# Altium PCB Board.PcbDoc (part 13 of 15)
Units mil, origin at the board's own origin, x right, y up, seen from the top; angles counter-clockwise.
Board outline 6379.64 x 4143.89 mil, 4 copper layers (Top Layer, GND, VCC, Bottom Layer); 316 components, 199 nets, 1077 pads, 596 vias.
Unrouted connection lines stored in the file: 268.
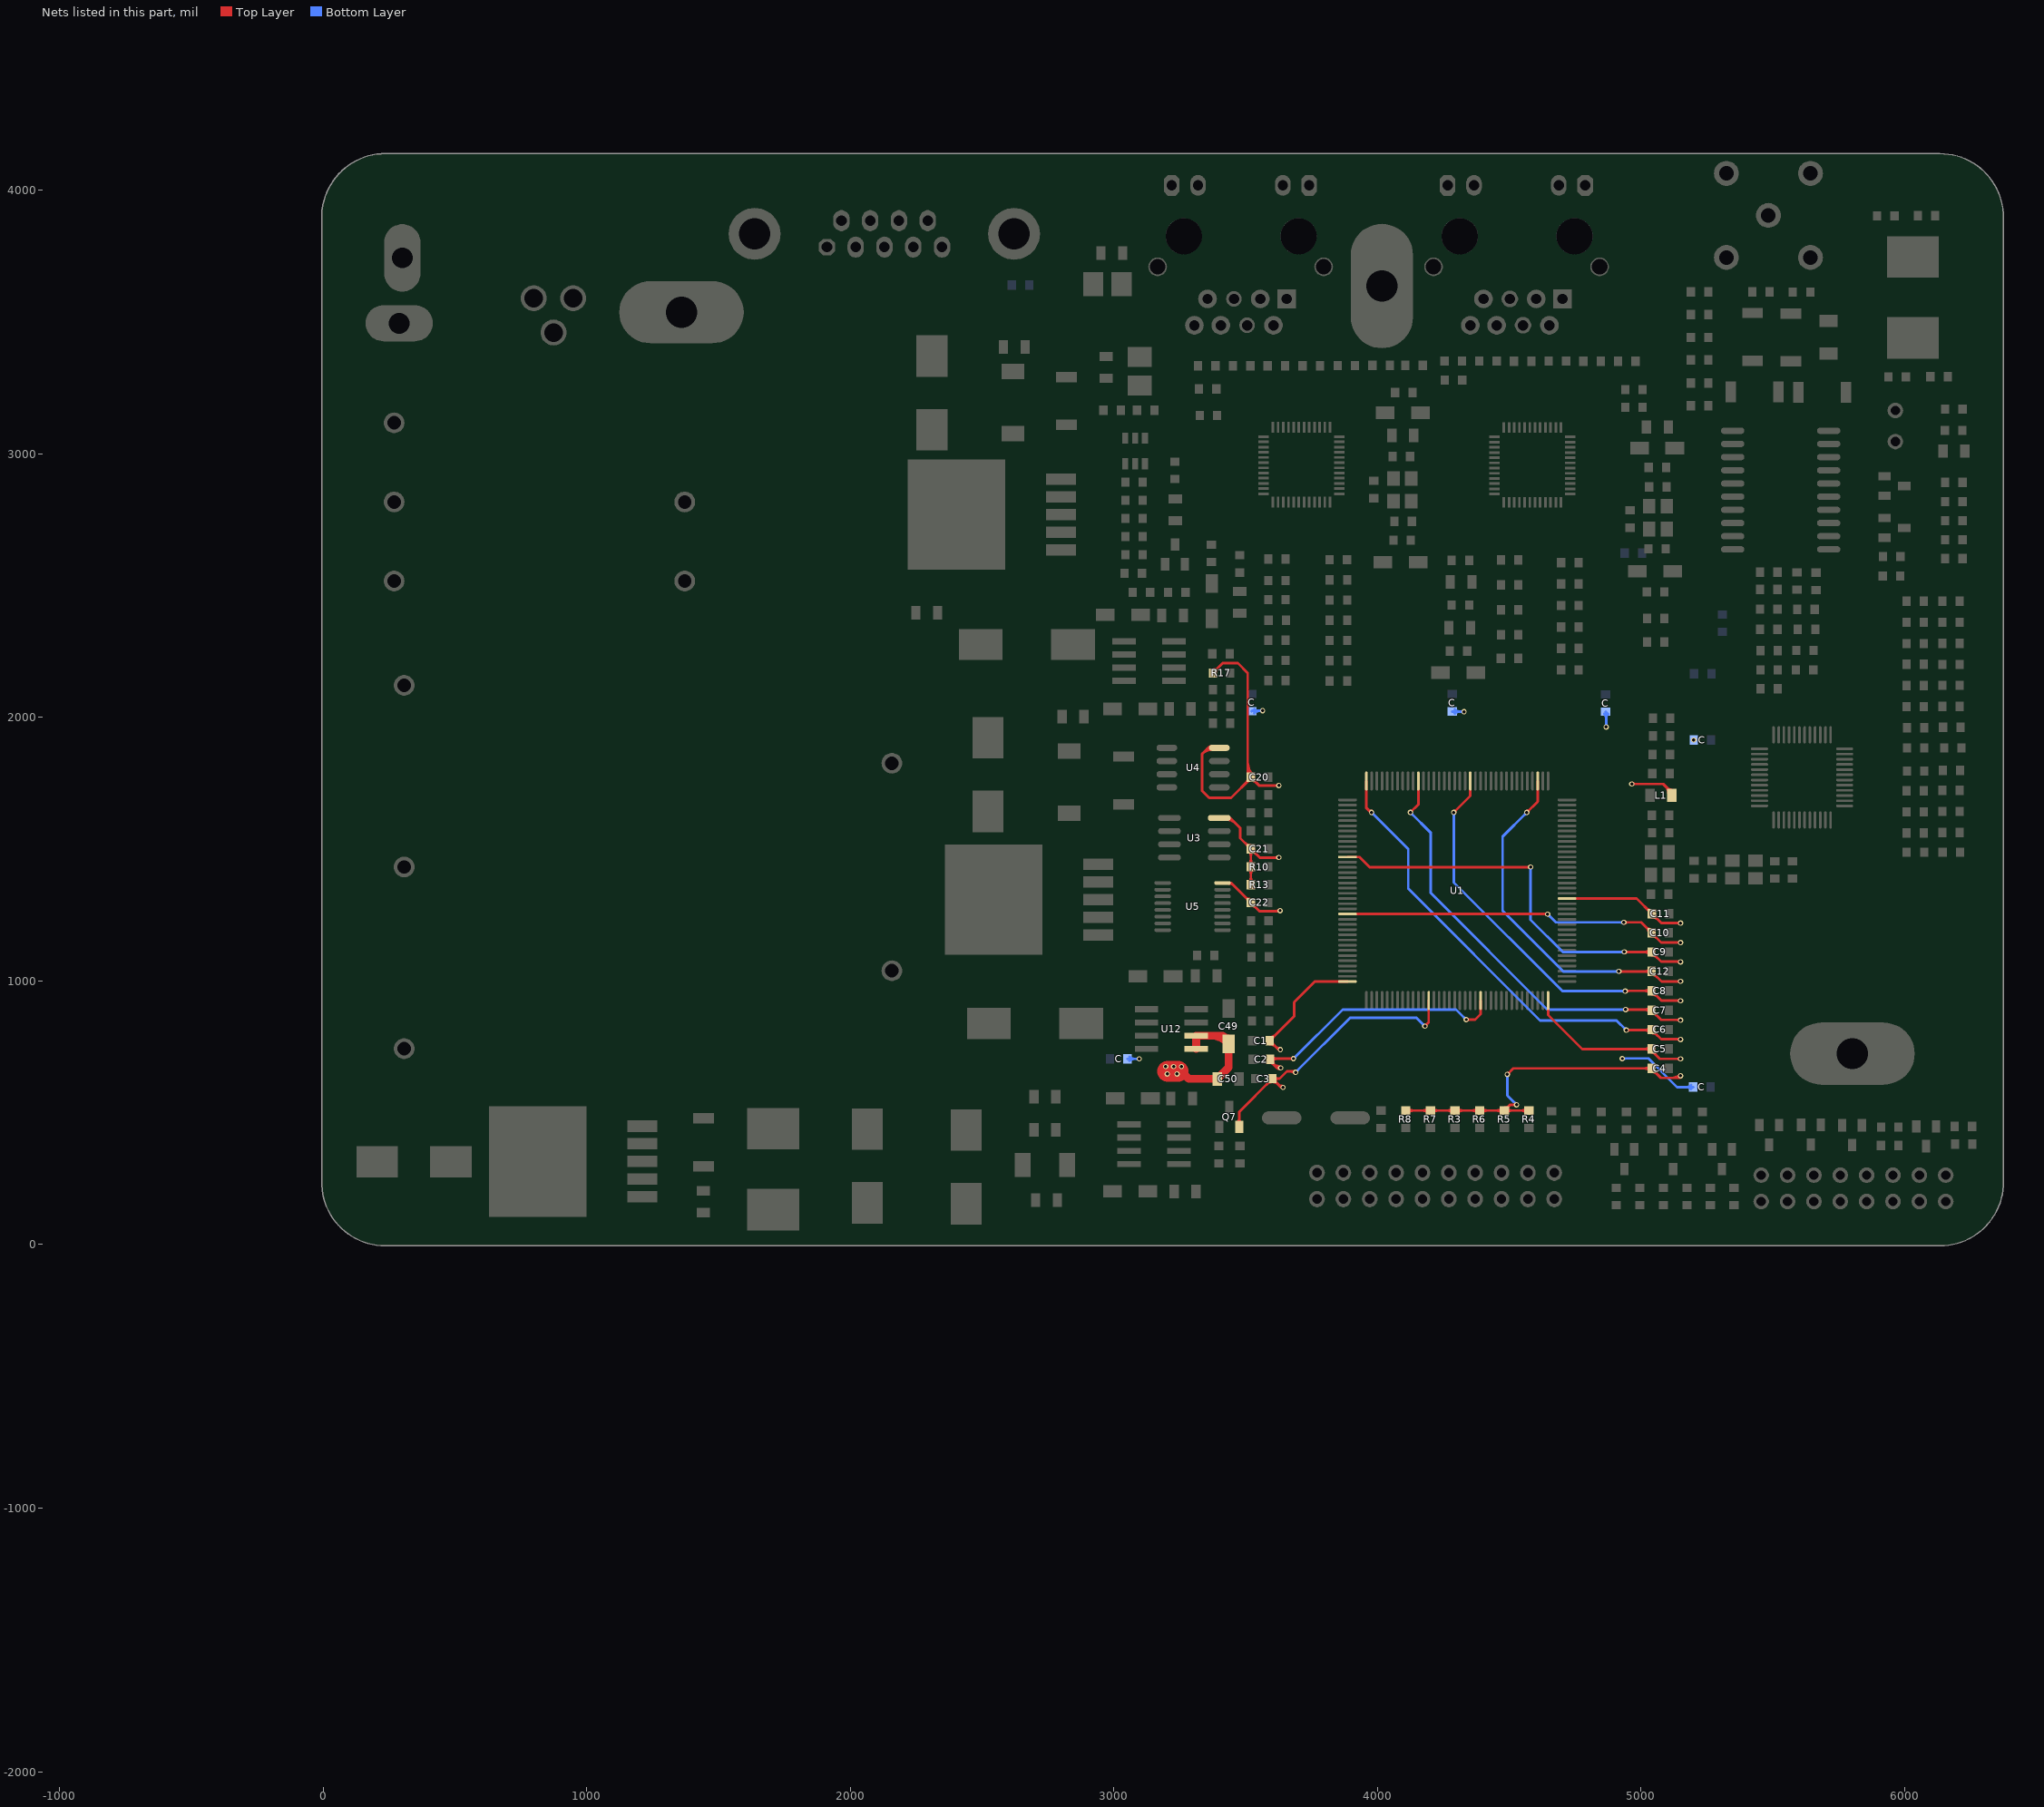
[diagram p14: the nets of this part, all layers, seen from the top]

## Via types
v1: diameter 20, hole 12, Top Layer to Bottom Layer, 590 vias
v2: diameter 30, hole 17, Top Layer to Bottom Layer, 6 vias

## Nets (pads, with @x,y where several pads share a name; then routed paths per layer and width w, separated by ;. In a path a pad name is that pad's centre, name@x,y a point inside that pad or via, vN(x,y) a via of type N, cw(c..) or ccw(c..) an arc to the next point about the centre after c; other vN are vias at no path point) (continued)
VDD3.3: C1.2 C2.2 C3.2 C4.2 C5.2 C6.2 C7.2 C8.2 C9.2 C10.2 C11.2 C12.2 C20.1 C21.2 C22.2 C49.2 C50.1 C.1@3051.6,704.45 C.2@3522.6,2023.45 C.2@4283.6,2022.45 C.2@4865.6,2021.45 C.2@5197.6,597.45 C.2@5199.6,1914.45 L1.1 Q7.1 R3.2 R4.2 R5.2 R6.2 R7.2 R8.2 R10.1 R13.1 R17.1 U1.17 U1.39 U1.52 U1.62 U1.72 U1.84 U1.95 U1.108 U1.121 U1.131 U1.144 U3.8 U4.8 U5.16 U12.1 U12.2 | length 27951.5
  Top Layer w10: R17.1@3375.6,2176.77 R17.1@3375.6,2168.2 3412.85,2205.45 3470.6,2205.45 3507.6,2168.45 3507.6,1785.6 C20.1@3519.75,1773.45 ; U3.8@3399.57,1618.45 3441.6,1618.45 3479.6,1580.45 3479.6,1541.78 C21.2@3519.6,1501.78 ; U4.8@3400.01,1884.45 3357.6,1884.45 ; U5.16@3411.79,1372.02 3445.2,1372.02 C22.2@3519.6,1297.62 3552.31,1264.9 3629.05,1264.9 v1(3630.6,1266.45) ; Q7.1@3475.4,446.45 3475.4,503.25 C3.2@3601.6,629.45 ; R13.1@3519.75,1365.11 3519.6,1365.26 C21.2@3519.6,1501.78 ; v1(3625.6,1468.45) 3552.93,1468.45 C21.2@3519.6,1501.78 ; v1(3625.6,1741.45) 3624.88,1740.73 3552.46,1740.73 C20.1@3519.75,1773.45 ; v1(3631.6,739.45) 3624.6,739.45 C1.2@3590.6,773.45 3683.6,866.45 3683.6,919.45 3762.11,997.96 U1.108@3886.26,997.96 ; v1(3632.6,670.45) 3619.6,670.45 3588.6,701.45 3592.6,705.45 v1(3681.6,705.45) ; v1(3641.6,596.45) 3634.6,596.45 C3.2@3601.6,629.45 ; v1(3689.6,653.45) 3685.6,657.45 3656.6,657.45 3628.6,629.45 C3.2@3601.6,629.45 ; U1.95@3886.26,1253.87 4645.18,1253.87 v1(4645.6,1253.45) ; U1.84@3886.26,1470.4 3931.65,1470.4 3970.6,1431.45 v1@4580.6,1431.45 ; U1.72@3958.11,1758.79 3958.11,1655.94 v1@3977.6,1636.45 ; R8.2@4107.1,508.45 R7.2@4200.6,508.45 R3.2@4294.1,508.45 R6.2@4387.6,508.45 R5.2@4481.1,508.45 ; v1(4124.6,1639.45) 4154.96,1669.81 U1.62@4154.96,1758.79 ; v1(4179.6,828.45) 4194.33,843.18 U1.121@4194.33,926.11 ; v1(4289.6,1639.45) 4351.81,1701.66 U1.52@4351.81,1758.79 ; v1(4336.6,853.45) 4370.6,853.45 4391.18,874.03 U1.131@4391.18,926.11 ; v1(4492.6,645.45) 4515.6,668.45 C4.2@5039.45,668.45 5075.45,632.45 5141.6,632.45 v1(5149.6,640.45) ; v1(4527.6,530.45) 4503.1,530.45 R5.2@4481.1,508.45 ; v1(4566.6,1639.45) 4607.72,1680.57 U1.39@4607.72,1758.79 ; R4.2@4574.6,508.45 R5.2@4481.1,508.45 ; U1.144@4647.09,926.11 4647.09,870.96 4776.6,741.45 5038.88,741.45 C5.2@5039.45,742.02 ; U1.17@4718.94,1312.92 4983.13,1312.92 C11.2@5040.6,1255.45 5076.6,1219.45 v1(5149.6,1219.45) ; v1(4915.6,1036.45) 4915.75,1036.3 C12.2@5039.45,1036.3 5077.3,998.45 v1@5143.22,998.45 ; v1(4934.6,1222.45) 5000.44,1222.45 5076.44,1146.45 5145.47,1146.45 v1@5149.6,1150.57 ; v1(4936.6,1110.45) 4937.18,1109.87 C9.2@5039.45,1109.87 5075.87,1073.45 v1@5145.35,1073.45 ; v1(4939.6,961.45) 4940.88,962.73 C8.2@5039.45,962.73 5076.73,925.45 v1@5143.1,925.45 ; v1(4941.6,891.45) 5037.16,891.45 5076.16,852.45 v1@5142.97,852.45 ; v1(4943.6,813.45) 5037.31,813.45 C6.2@5039.45,815.59 5075.59,779.45 v1@5142.85,779.45 ; v1(4964.6,1747.45) 5083.6,1747.45 L1.1@5116.6,1714.45 ; C5.2@5041.6,733.45 5070.6,704.45 v1(5149.6,704.45) ; L1.1@5110.6,1705.45 L1.1@5110.6,1715.45 ; 3335.47,1862.32 cw(c3372.45,1825.34) U4.8@3372.45,1877.64 ; 3335.47,1862.32 cw(c3372.45,1825.34) U4.8@3372.45,1877.64 ; 3335.47,1862.32 cw(c3372.45,1825.34) U4.8@3372.45,1877.64 ; 3352.54,1879.39 cw(c3372.45,1859.48) U4.8@3372.45,1887.64 ; 3352.54,1879.39 cw(c3372.45,1859.48) U4.8@3372.45,1887.64 ; 3352.54,1879.39 cw(c3372.45,1859.48) U4.8@3372.45,1887.64 ; 3357.6,1884.45 cw(c3357.6,1871.67) U4.8@3367.29,1880.01 ; 3357.6,1884.45 ccw(c3357.6,1897.23) U4.8@3367.29,1888.89 ; 3357.6,1884.45 cw(c3357.6,1871.67) U4.8@3367.29,1880.01 ; 3357.6,1884.45 ccw(c3357.6,1897.23) U4.8@3367.29,1888.89 ; 3357.6,1884.45 ccw(c3357.6,1897.23) U4.8@3367.29,1888.89 ; 3357.6,1884.45 cw(c3357.6,1871.67) U4.8@3367.29,1880.01 ; 3357.6,1884.45 3334.6,1861.45 3334.6,1721.45 3361.6,1694.45 3444.6,1694.45 3519.75,1769.6 C20.1@3519.75,1773.45 ; R17.1@3375.6,2180.92 ccw(c3375.6,2211.62) 3397.31,2189.91 ; R17.1@3375.6,2180.92 ccw(c3375.6,2211.62) 3397.31,2189.91 ; R17.1@3375.6,2180.92 ccw(c3375.6,2211.62) 3397.31,2189.91 ; R17.1@3386.35,2170.17 cw(c3407.54,2170.17) 3392.55,2185.15 ; R17.1@3386.35,2170.17 cw(c3407.54,2170.17) 3392.55,2185.15 ; R17.1@3386.35,2170.17 cw(c3407.54,2170.17) 3392.55,2185.15 ; U3.8@3431.07,1611.64 cw(c3431.07,1569.78) 3460.67,1599.38 ; U3.8@3431.07,1611.64 cw(c3431.07,1569.78) 3460.67,1599.38 ; U3.8@3431.07,1611.64 cw(c3431.07,1569.78) 3460.67,1599.38 ; U3.8@3431.07,1621.64 cw(c3431.07,1603.92) 3443.6,1616.45 ; U3.8@3431.07,1621.64 cw(c3431.07,1603.92) 3443.6,1616.45 ; U3.8@3431.07,1621.64 cw(c3431.07,1603.92) 3443.6,1616.45 ; U5.16@3436.39,1370.13 cw(c3436.39,1344.31) 3454.65,1362.56 ; U5.16@3436.39,1370.13 cw(c3436.39,1344.31) 3454.65,1362.56 ; U5.16@3436.39,1370.13 cw(c3436.39,1344.31) 3454.65,1362.56 ; Q7.1@3467.8,461.92 ccw(c3449.45,480.27) 3475.4,480.27 ; Q7.1@3467.8,461.92 ccw(c3449.45,480.27) 3475.4,480.27 ; Q7.1@3467.8,461.92 ccw(c3449.45,480.27) 3475.4,480.27 ; 3475.4,480.27 ccw(c3501.35,480.27) Q7.1@3483,461.92 ; 3475.4,480.27 ccw(c3501.35,480.27) Q7.1@3483,461.92 ; 3475.4,480.27 ccw(c3501.35,480.27) Q7.1@3483,461.92 ; 3497.89,1319.32 ccw(c3519.6,1341.03) C22.2@3519.6,1310.33 ; 3497.89,1319.32 ccw(c3519.6,1341.03) C22.2@3519.6,1310.33 ; 3497.89,1319.32 ccw(c3519.6,1341.03) C22.2@3519.6,1310.33 ; 3497.89,1523.49 ccw(c3519.6,1545.2) C21.2@3519.6,1514.5 ; 3497.89,1523.49 ccw(c3519.6,1545.2) C21.2@3519.6,1514.5 ; 3497.89,1523.49 ccw(c3519.6,1545.2) C21.2@3519.6,1514.5 ; 3500.07,1749.92 ccw(c3478.51,1771.48) C20.1@3509,1771.48 ; 3500.07,1749.92 ccw(c3478.51,1771.48) C20.1@3509,1771.48 ; 3500.07,1749.92 ccw(c3478.51,1771.48) C20.1@3509,1771.48 ; 3502.64,1314.57 cw(c3487.65,1299.59) C22.2@3508.85,1299.59 ; 3502.64,1314.57 cw(c3487.65,1299.59) C22.2@3508.85,1299.59 ; 3502.64,1314.57 cw(c3487.65,1299.59) C22.2@3508.85,1299.59 ; 3502.64,1518.74 cw(c3487.65,1503.75) C21.2@3508.85,1503.75 ; 3502.64,1518.74 cw(c3487.65,1503.75) C21.2@3508.85,1503.75 ; 3502.64,1518.74 cw(c3487.65,1503.75) C21.2@3508.85,1503.75 ; 3504.61,1754.46 cw(c3519.75,1739.33) C20.1@3519.75,1760.73 ; 3504.61,1754.46 cw(c3519.75,1739.33) C20.1@3519.75,1760.73 ; 3504.61,1754.46 cw(c3519.75,1739.33) C20.1@3519.75,1760.73 ; 3507.6,1806.55 ccw(c3550.89,1806.55) C20.1@3520.28,1775.95 ; 3507.6,1806.55 ccw(c3550.89,1806.55) C20.1@3520.28,1775.95 ; 3507.6,1806.55 ccw(c3550.89,1806.55) C20.1@3520.28,1775.95 ; 3507.6,1830.7 ccw(c3575.03,1830.7) C20.1@3527.35,1783.02 ; 3507.6,1830.7 ccw(c3575.03,1830.7) C20.1@3527.35,1783.02 ; 3507.6,1830.7 ccw(c3575.03,1830.7) C20.1@3527.35,1783.02 ; C21.2@3512,1492.22 cw(c3493.65,1473.87) 3519.6,1473.87 ; C21.2@3512,1492.22 cw(c3493.65,1473.87) 3519.6,1473.87 ; C21.2@3512,1492.22 cw(c3493.65,1473.87) 3519.6,1473.87 ; R13.1@3512.15,1374.68 ccw(c3494.16,1392.67) 3519.6,1392.67 ; R13.1@3512.15,1374.68 ccw(c3494.16,1392.67) 3519.6,1392.67 ; R13.1@3512.15,1374.68 ccw(c3494.16,1392.67) 3519.6,1392.67 ; R10.1@3512.15,1423.6 cw(c3494.16,1405.61) 3519.6,1405.61 ; R10.1@3512.15,1423.6 cw(c3494.16,1405.61) 3519.6,1405.61 ; R10.1@3512.15,1423.6 cw(c3494.16,1405.61) 3519.6,1405.61 ; R10.1@3512.15,1442.74 ccw(c3494.16,1460.72) 3519.6,1460.72 ; R10.1@3512.15,1442.74 ccw(c3494.16,1460.72) 3519.6,1460.72 ; R10.1@3512.15,1442.74 ccw(c3494.16,1460.72) 3519.6,1460.72 ; C22.2@3519.6,1284.9 cw(c3519.6,1254.2) 3541.31,1275.91 ; C22.2@3519.6,1284.9 cw(c3519.6,1254.2) 3541.31,1275.91 ; C22.2@3519.6,1284.9 cw(c3519.6,1254.2) 3541.31,1275.91 ; 3519.6,1393.39 ccw(c3546.06,1393.39) R13.1@3527.35,1374.68 ; 3519.6,1393.39 ccw(c3546.06,1393.39) R13.1@3527.35,1374.68 ; 3519.6,1393.39 ccw(c3546.06,1393.39) R13.1@3527.35,1374.68 ; 3519.6,1404.89 cw(c3546.06,1404.89) R10.1@3527.35,1423.6 ; 3519.6,1404.89 cw(c3546.06,1404.89) R10.1@3527.35,1423.6 ; 3519.6,1404.89 cw(c3546.06,1404.89) R10.1@3527.35,1423.6 ; 3519.6,1461.45 ccw(c3546.06,1461.45) R10.1@3527.35,1442.74 ; 3519.6,1461.45 ccw(c3546.06,1461.45) R10.1@3527.35,1442.74 ; 3519.6,1461.45 ccw(c3546.06,1461.45) R10.1@3527.35,1442.74 ; 3519.6,1473.87 cw(c3545.55,1473.87) C21.2@3527.2,1492.22 ; 3519.6,1473.87 cw(c3545.55,1473.87) C21.2@3527.2,1492.22 ; 3519.6,1473.87 cw(c3545.55,1473.87) C21.2@3527.2,1492.22 ; C21.2@3519.6,1489.07 cw(c3519.6,1458.37) 3541.31,1480.08 ; C21.2@3519.6,1489.07 cw(c3519.6,1458.37) 3541.31,1480.08 ; C21.2@3519.6,1489.07 cw(c3519.6,1458.37) 3541.31,1480.08 ; C20.1@3519.75,1760.73 cw(c3519.75,1730.03) 3541.46,1751.74 ; C20.1@3519.75,1760.73 cw(c3519.75,1730.03) 3541.46,1751.74 ; C20.1@3519.75,1760.73 cw(c3519.75,1730.03) 3541.46,1751.74 ; C22.2@3530.35,1295.65 ccw(c3551.54,1295.65) 3536.55,1280.66 ; C22.2@3530.35,1295.65 ccw(c3551.54,1295.65) 3536.55,1280.66 ; C22.2@3530.35,1295.65 ccw(c3551.54,1295.65) 3536.55,1280.66 ; C21.2@3530.35,1499.82 ccw(c3551.54,1499.82) 3536.55,1484.83 ; C21.2@3530.35,1499.82 ccw(c3551.54,1499.82) 3536.55,1484.83 ; C21.2@3530.35,1499.82 ccw(c3551.54,1499.82) 3536.55,1484.83 ; C20.1@3530.5,1771.48 ccw(c3551.69,1771.48) 3536.7,1756.49 ; C20.1@3530.5,1771.48 ccw(c3551.69,1771.48) 3536.7,1756.49 ; C20.1@3530.5,1771.48 ccw(c3551.69,1771.48) 3536.7,1756.49 ; 3579.89,607.74 cw(c3601.6,586.03) C3.2@3601.6,616.73 ; 3579.89,607.74 cw(c3601.6,586.03) C3.2@3601.6,616.73 ; 3579.89,607.74 cw(c3601.6,586.03) C3.2@3601.6,616.73 ; 3584.64,612.49 ccw(c3569.65,627.48) C3.2@3590.85,627.48 ; 3584.64,612.49 ccw(c3569.65,627.48) C3.2@3590.85,627.48 ; 3584.64,612.49 ccw(c3569.65,627.48) C3.2@3590.85,627.48 ; C1.2@3590.6,760.73 cw(c3590.6,730.03) 3612.31,751.74 ; C1.2@3590.6,760.73 cw(c3590.6,730.03) 3612.31,751.74 ; C1.2@3590.6,760.73 cw(c3590.6,730.03) 3612.31,751.74 ; C1.2@3590.6,786.17 ccw(c3590.6,816.87) 3612.31,795.16 ; C1.2@3590.6,786.17 ccw(c3590.6,816.87) 3612.31,795.16 ; C1.2@3590.6,786.17 ccw(c3590.6,816.87) 3612.31,795.16 ; C2.2@3592.6,689.73 cw(c3592.6,671.1) 3605.77,684.28 ; C2.2@3592.6,689.73 cw(c3592.6,671.1) 3605.77,684.28 ; C2.2@3592.6,689.73 cw(c3592.6,671.1) 3605.77,684.28 ; C2.2@3600.2,696.82 cw(c3621.04,675.98) 3621.04,705.45 ; C2.2@3600.2,696.82 cw(c3621.04,675.98) 3621.04,705.45 ; C2.2@3600.2,696.82 cw(c3621.04,675.98) 3621.04,705.45 ; C2.2@3600.2,712.02 ccw(c3616.06,727.88) 3616.06,705.45 ; C2.2@3600.2,712.02 ccw(c3616.06,727.88) 3616.06,705.45 ; C2.2@3600.2,712.02 ccw(c3616.06,727.88) 3616.06,705.45 ; C1.2@3601.35,771.48 ccw(c3622.54,771.48) 3607.55,756.49 ; C1.2@3601.35,771.48 ccw(c3622.54,771.48) 3607.55,756.49 ; C1.2@3601.35,771.48 ccw(c3622.54,771.48) 3607.55,756.49 ; C1.2@3601.35,775.42 cw(c3622.54,775.42) 3607.55,790.4 ; C1.2@3601.35,775.42 cw(c3622.54,775.42) 3607.55,790.4 ; C1.2@3601.35,775.42 cw(c3622.54,775.42) 3607.55,790.4 ; C3.2@3601.6,616.73 cw(c3601.6,586.03) 3623.31,607.74 ; C3.2@3601.6,616.73 cw(c3601.6,586.03) 3623.31,607.74 ; C3.2@3601.6,616.73 cw(c3601.6,586.03) 3623.31,607.74 ; C2.2@3601.87,688.18 ccw(c3632.6,718.9) v1@3632.6,675.45 ; C2.2@3601.87,688.18 ccw(c3632.6,718.9) v1@3632.6,675.45 ; C2.2@3601.87,688.18 ccw(c3632.6,718.9) v1@3632.6,675.45 ; C2.2@3603.35,700.48 ccw(c3636.61,700.48) 3613.09,676.96 ; C2.2@3603.35,700.48 ccw(c3636.61,700.48) 3613.09,676.96 ; C2.2@3603.35,700.48 ccw(c3636.61,700.48) 3613.09,676.96 ; C3.2@3609.2,621.85 cw(c3627.55,603.5) 3627.55,629.45 ; C3.2@3609.2,621.85 cw(c3627.55,603.5) 3627.55,629.45 ; C3.2@3609.2,621.85 cw(c3627.55,603.5) 3627.55,629.45 ; C3.2@3609.2,637.05 ccw(c3627.55,655.4) 3627.55,629.45 ; C3.2@3609.2,637.05 ccw(c3627.55,655.4) 3627.55,629.45 ; C3.2@3609.2,637.05 ccw(c3627.55,655.4) 3627.55,629.45 ; 3611.11,752.93 ccw(c3631.6,773.42) v1@3631.6,744.45 ; 3611.11,752.93 ccw(c3631.6,773.42) v1@3631.6,744.45 ; 3611.11,752.93 ccw(c3631.6,773.42) v1@3631.6,744.45 ; 3611.8,1740.73 ccw(c3611.8,1755.25) v1@3622.06,1744.98 ; 3611.8,1740.73 ccw(c3611.8,1755.25) v1@3622.06,1744.98 ; 3611.8,1740.73 ccw(c3611.8,1755.25) v1@3622.06,1744.98 ; C3.2@3612.35,627.48 ccw(c3633.54,627.48) 3618.55,612.49 ; C3.2@3612.35,627.48 ccw(c3633.54,627.48) 3618.55,612.49 ; C3.2@3612.35,627.48 ccw(c3633.54,627.48) 3618.55,612.49 ; 3613.53,1468.45 cw(c3613.53,1456.38) v1@3622.06,1464.91 ; 3613.53,1468.45 ccw(c3613.53,1480.52) v1@3622.06,1471.98 ; 3613.53,1468.45 cw(c3613.53,1456.38) v1@3622.06,1464.91 ; 3613.53,1468.45 ccw(c3613.53,1480.52) v1@3622.06,1471.98 ; 3613.53,1468.45 ccw(c3613.53,1480.52) v1@3622.06,1471.98 ; 3613.53,1468.45 cw(c3613.53,1456.38) v1@3622.06,1464.91 ; 3614.79,1264.9 ccw(c3614.79,1282.26) v1@3627.06,1269.98 ; 3614.79,1264.9 ccw(c3614.79,1282.26) v1@3627.06,1269.98 ; 3614.79,1264.9 ccw(c3614.79,1282.26) v1@3627.06,1269.98 ; 3615.26,1740.73 cw(c3615.26,1731.11) v1@3622.06,1737.91 ; 3615.26,1740.73 cw(c3615.26,1731.11) v1@3622.06,1737.91 ; 3615.26,1740.73 cw(c3615.26,1731.11) v1@3622.06,1737.91 ; 3618.94,671.11 ccw(c3632.6,684.76) v1@3632.6,665.45 ; 3618.94,671.11 ccw(c3632.6,684.76) v1@3632.6,665.45 ; 3618.94,671.11 ccw(c3632.6,684.76) v1@3632.6,665.45 ; 3620.53,670.45 cw(c3620.53,658.38) v1@3629.06,666.91 ; 3620.53,670.45 ccw(c3620.53,682.52) v1@3629.06,673.98 ; 3620.53,670.45 cw(c3620.53,658.38) v1@3629.06,666.91 ; 3620.53,670.45 ccw(c3620.53,682.52) v1@3629.06,673.98 ; 3620.53,670.45 ccw(c3620.53,682.52) v1@3629.06,673.98 ; 3620.53,670.45 cw(c3620.53,658.38) v1@3629.06,666.91 ; 3621.11,609.93 ccw(c3641.6,630.42) v1@3641.6,601.45 ; 3621.11,609.93 ccw(c3641.6,630.42) v1@3641.6,601.45 ; 3621.11,609.93 ccw(c3641.6,630.42) v1@3641.6,601.45 ; 3667.87,657.45 cw(c3667.87,631.72) v1@3686.06,649.91 ; 3667.87,657.45 cw(c3667.87,631.72) v1@3686.06,649.91 ; 3667.87,657.45 cw(c3667.87,631.72) v1@3686.06,649.91 ; 3669.53,705.45 cw(c3669.53,693.38) v1@3678.06,701.91 ; 3669.53,705.45 ccw(c3669.53,717.52) v1@3678.06,708.98 ; 3669.53,705.45 cw(c3669.53,693.38) v1@3678.06,701.91 ; 3669.53,705.45 ccw(c3669.53,717.52) v1@3678.06,708.98 ; 3669.53,705.45 ccw(c3669.53,717.52) v1@3678.06,708.98 ; 3669.53,705.45 cw(c3669.53,693.38) v1@3678.06,701.91 ; 3963.94,1650.11 ccw(c3977.6,1663.76) v1@3977.6,1644.45 ; 3963.94,1650.11 ccw(c3977.6,1663.76) v1@3977.6,1644.45 ; 3963.94,1650.11 ccw(c3977.6,1663.76) v1@3977.6,1644.45 ; R8.2@4116.67,500.85 cw(c4135.01,482.5) 4135.01,508.45 ; R8.2@4116.67,500.85 cw(c4135.01,482.5) 4135.01,508.45 ; R8.2@4116.67,500.85 cw(c4135.01,482.5) 4135.01,508.45 ; R8.2@4116.67,516.05 ccw(c4135.01,534.4) 4135.01,508.45 ; R8.2@4116.67,516.05 ccw(c4135.01,534.4) 4135.01,508.45 ; R8.2@4116.67,516.05 ccw(c4135.01,534.4) 4135.01,508.45 ; v1@4124.6,1644.45 ccw(c4124.6,1656.52) 4133.13,1647.98 ; v1@4124.6,1644.45 ccw(c4124.6,1656.52) 4133.13,1647.98 ; v1@4124.6,1644.45 ccw(c4124.6,1656.52) 4133.13,1647.98 ; v1@4129.6,1639.45 cw(c4141.67,1639.45) 4133.13,1647.98 ; v1@4129.6,1639.45 cw(c4141.67,1639.45) 4133.13,1647.98 ; v1@4129.6,1639.45 cw(c4141.67,1639.45) 4133.13,1647.98 ; 4172.68,508.45 cw(c4172.68,482.5) R7.2@4191.03,500.85 ; 4172.68,508.45 ccw(c4172.68,534.4) R7.2@4191.03,516.05 ; 4172.68,508.45 cw(c4172.68,482.5) R7.2@4191.03,500.85 ; 4172.68,508.45 ccw(c4172.68,534.4) R7.2@4191.03,516.05 ; 4172.68,508.45 ccw(c4172.68,534.4) R7.2@4191.03,516.05 ; 4172.68,508.45 cw(c4172.68,482.5) R7.2@4191.03,500.85 ; v1@4179.6,833.45 ccw(c4179.6,845.52) 4188.13,836.98 ; v1@4179.6,833.45 ccw(c4179.6,845.52) 4188.13,836.98 ; v1@4179.6,833.45 ccw(c4179.6,845.52) 4188.13,836.98 ; v1@4184.6,828.45 cw(c4196.67,828.45) 4188.13,836.98 ; v1@4184.6,828.45 cw(c4196.67,828.45) 4188.13,836.98 ; v1@4184.6,828.45 cw(c4196.67,828.45) 4188.13,836.98 ; R7.2@4210.17,500.85 cw(c4228.51,482.5) 4228.51,508.45 ; R7.2@4210.17,500.85 cw(c4228.51,482.5) 4228.51,508.45 ; R7.2@4210.17,500.85 cw(c4228.51,482.5) 4228.51,508.45 ; R7.2@4210.17,516.05 ccw(c4228.51,534.4) 4228.51,508.45 ; R7.2@4210.17,516.05 ccw(c4228.51,534.4) 4228.51,508.45 ; R7.2@4210.17,516.05 ccw(c4228.51,534.4) 4228.51,508.45 ; 4266.18,508.45 cw(c4266.18,482.5) R3.2@4284.53,500.85 ; 4266.18,508.45 ccw(c4266.18,534.4) R3.2@4284.53,516.05 ; 4266.18,508.45 cw(c4266.18,482.5) R3.2@4284.53,500.85 ; 4266.18,508.45 ccw(c4266.18,534.4) R3.2@4284.53,516.05 ; 4266.18,508.45 ccw(c4266.18,534.4) R3.2@4284.53,516.05 ; 4266.18,508.45 cw(c4266.18,482.5) R3.2@4284.53,500.85 ; v1@4289.6,1644.45 ccw(c4289.6,1656.52) 4298.13,1647.98 ; v1@4289.6,1644.45 ccw(c4289.6,1656.52) 4298.13,1647.98 ; v1@4289.6,1644.45 ccw(c4289.6,1656.52) 4298.13,1647.98 ; v1@4294.6,1639.45 cw(c4306.67,1639.45) 4298.13,1647.98 ; v1@4294.6,1639.45 cw(c4306.67,1639.45) 4298.13,1647.98 ; v1@4294.6,1639.45 cw(c4306.67,1639.45) 4298.13,1647.98 ; R3.2@4303.67,500.85 cw(c4322.01,482.5) 4322.01,508.45 ; R3.2@4303.67,500.85 cw(c4322.01,482.5) 4322.01,508.45 ; R3.2@4303.67,500.85 cw(c4322.01,482.5) 4322.01,508.45 ; R3.2@4303.67,516.05 ccw(c4322.01,534.4) 4322.01,508.45 ; R3.2@4303.67,516.05 ccw(c4322.01,534.4) 4322.01,508.45 ; R3.2@4303.67,516.05 ccw(c4322.01,534.4) 4322.01,508.45 ; v1@4340.13,849.91 cw(c4348.67,841.38) 4348.67,853.45 ; v1@4340.13,849.91 cw(c4348.67,841.38) 4348.67,853.45 ; v1@4340.13,849.91 cw(c4348.67,841.38) 4348.67,853.45 ; v1@4340.13,856.98 ccw(c4348.67,865.52) 4348.67,853.45 ; v1@4340.13,856.98 ccw(c4348.67,865.52) 4348.67,853.45 ; v1@4340.13,856.98 ccw(c4348.67,865.52) 4348.67,853.45 ; 4359.68,508.45 cw(c4359.68,482.5) R6.2@4378.03,500.85 ; 4359.68,508.45 ccw(c4359.68,534.4) R6.2@4378.03,516.05 ; 4359.68,508.45 cw(c4359.68,482.5) R6.2@4378.03,500.85 ; 4359.68,508.45 ccw(c4359.68,534.4) R6.2@4378.03,516.05 ; 4359.68,508.45 ccw(c4359.68,534.4) R6.2@4378.03,516.05 ; 4359.68,508.45 cw(c4359.68,482.5) R6.2@4378.03,500.85 ; R6.2@4397.17,500.85 cw(c4415.51,482.5) 4415.51,508.45 ; R6.2@4397.17,500.85 cw(c4415.51,482.5) 4415.51,508.45 ; R6.2@4397.17,500.85 cw(c4415.51,482.5) 4415.51,508.45 ; R6.2@4397.17,516.05 ccw(c4415.51,534.4) 4415.51,508.45 ; R6.2@4397.17,516.05 ccw(c4415.51,534.4) 4415.51,508.45 ; R6.2@4397.17,516.05 ccw(c4415.51,534.4) 4415.51,508.45 ; 4453.18,508.45 cw(c4453.18,482.5) R5.2@4471.53,500.85 ; 4453.18,508.45 ccw(c4453.18,534.4) R5.2@4471.53,516.05 ; 4453.18,508.45 cw(c4453.18,482.5) R5.2@4471.53,500.85 ; 4453.18,508.45 ccw(c4453.18,534.4) R5.2@4471.53,516.05 ; 4453.18,508.45 ccw(c4453.18,534.4) R5.2@4471.53,516.05 ; 4453.18,508.45 cw(c4453.18,482.5) R5.2@4471.53,500.85 ; R5.2@4483.07,519.2 ccw(c4483.07,540.39) 4498.05,525.4 ; R5.2@4483.07,519.2 ccw(c4483.07,540.39) 4498.05,525.4 ; R5.2@4483.07,519.2 ccw(c4483.07,540.39) 4498.05,525.4 ; R5.2@4490.67,500.85 cw(c4509.01,482.5) 4509.01,508.45 ; R5.2@4490.67,500.85 cw(c4509.01,482.5) 4509.01,508.45 ; R5.2@4490.67,500.85 cw(c4509.01,482.5) 4509.01,508.45 ; R5.2@4490.67,516.05 ccw(c4509.01,534.4) 4509.01,508.45 ; R5.2@4490.67,516.05 ccw(c4509.01,534.4) 4509.01,508.45 ; R5.2@4490.67,516.05 ccw(c4509.01,534.4) 4509.01,508.45 ; v1@4492.6,650.45 ccw(c4492.6,662.52) 4501.13,653.98 ; v1@4492.6,650.45 ccw(c4492.6,662.52) 4501.13,653.98 ; v1@4492.6,650.45 ccw(c4492.6,662.52) 4501.13,653.98 ; R5.2@4493.81,508.45 cw(c4524.52,508.45) 4502.81,530.16 ; R5.2@4493.81,508.45 cw(c4524.52,508.45) 4502.81,530.16 ; R5.2@4493.81,508.45 cw(c4524.52,508.45) 4502.81,530.16 ; v1@4497.6,645.45 cw(c4509.67,645.45) 4501.13,653.98 ; v1@4497.6,645.45 cw(c4509.67,645.45) 4501.13,653.98 ; v1@4497.6,645.45 cw(c4509.67,645.45) 4501.13,653.98 ; 4515.53,530.45 cw(c4515.53,518.38) v1@4524.06,526.91 ; 4515.53,530.45 ccw(c4515.53,542.52) v1@4524.06,533.98 ; 4515.53,530.45 cw(c4515.53,518.38) v1@4524.06,526.91 ; 4515.53,530.45 ccw(c4515.53,542.52) v1@4524.06,533.98 ; 4515.53,530.45 ccw(c4515.53,542.52) v1@4524.06,533.98 ; 4515.53,530.45 cw(c4515.53,518.38) v1@4524.06,526.91 ; 4546.68,508.45 cw(c4546.68,482.5) R4.2@4565.03,500.85 ; 4546.68,508.45 ccw(c4546.68,534.4) R4.2@4565.03,516.05 ; 4546.68,508.45 cw(c4546.68,482.5) R4.2@4565.03,500.85 ; 4546.68,508.45 ccw(c4546.68,534.4) R4.2@4565.03,516.05 ; 4546.68,508.45 ccw(c4546.68,534.4) R4.2@4565.03,516.05 ; 4546.68,508.45 cw(c4546.68,482.5) R4.2@4565.03,500.85 ; 4566.11,1431.45 ccw(c4566.11,1446.93) v1@4577.06,1435.98 ; 4566.11,1431.45 ccw(c4566.11,1446.93) v1@4577.06,1435.98 ; 4566.11,1431.45 ccw(c4566.11,1446.93) v1@4577.06,1435.98 ; v1@4566.6,1644.45 ccw(c4566.6,1656.52) 4575.13,1647.98 ; v1@4566.6,1644.45 ccw(c4566.6,1656.52) 4575.13,1647.98 ; v1@4566.6,1644.45 ccw(c4566.6,1656.52) 4575.13,1647.98 ; v1@4571.6,1639.45 cw(c4583.67,1639.45) 4575.13,1647.98 ; v1@4571.6,1639.45 cw(c4583.67,1639.45) 4575.13,1647.98 ; v1@4571.6,1639.45 cw(c4583.67,1639.45) 4575.13,1647.98 ; 4632.52,1253.87 cw(c4632.52,1240.37) v1@4642.06,1249.91 ; 4632.52,1253.87 cw(c4632.52,1240.37) v1@4642.06,1249.91 ; 4632.52,1253.87 cw(c4632.52,1240.37) v1@4642.06,1249.91 ; 4634.53,1253.87 ccw(c4634.53,1264.51) v1@4642.06,1256.98 ; 4634.53,1253.87 ccw(c4634.53,1264.51) 